# Altium PCB TinyHawk_PCB.PcbDoc (part 4 of 6)
Units mil, origin at the board's own origin, x right, y up, seen from the top; angles counter-clockwise.
Board outline 3399.79 x 3628.14 mil, 6 copper layers (Top Layer, Ground, Signal Layer 2, Signal Layer 1, Power, Bottom Layer), stack 58.153 mil thick; 370 components, 355 nets, 1615 pads, 674 vias.
Unrouted connection lines stored in the file: 1.
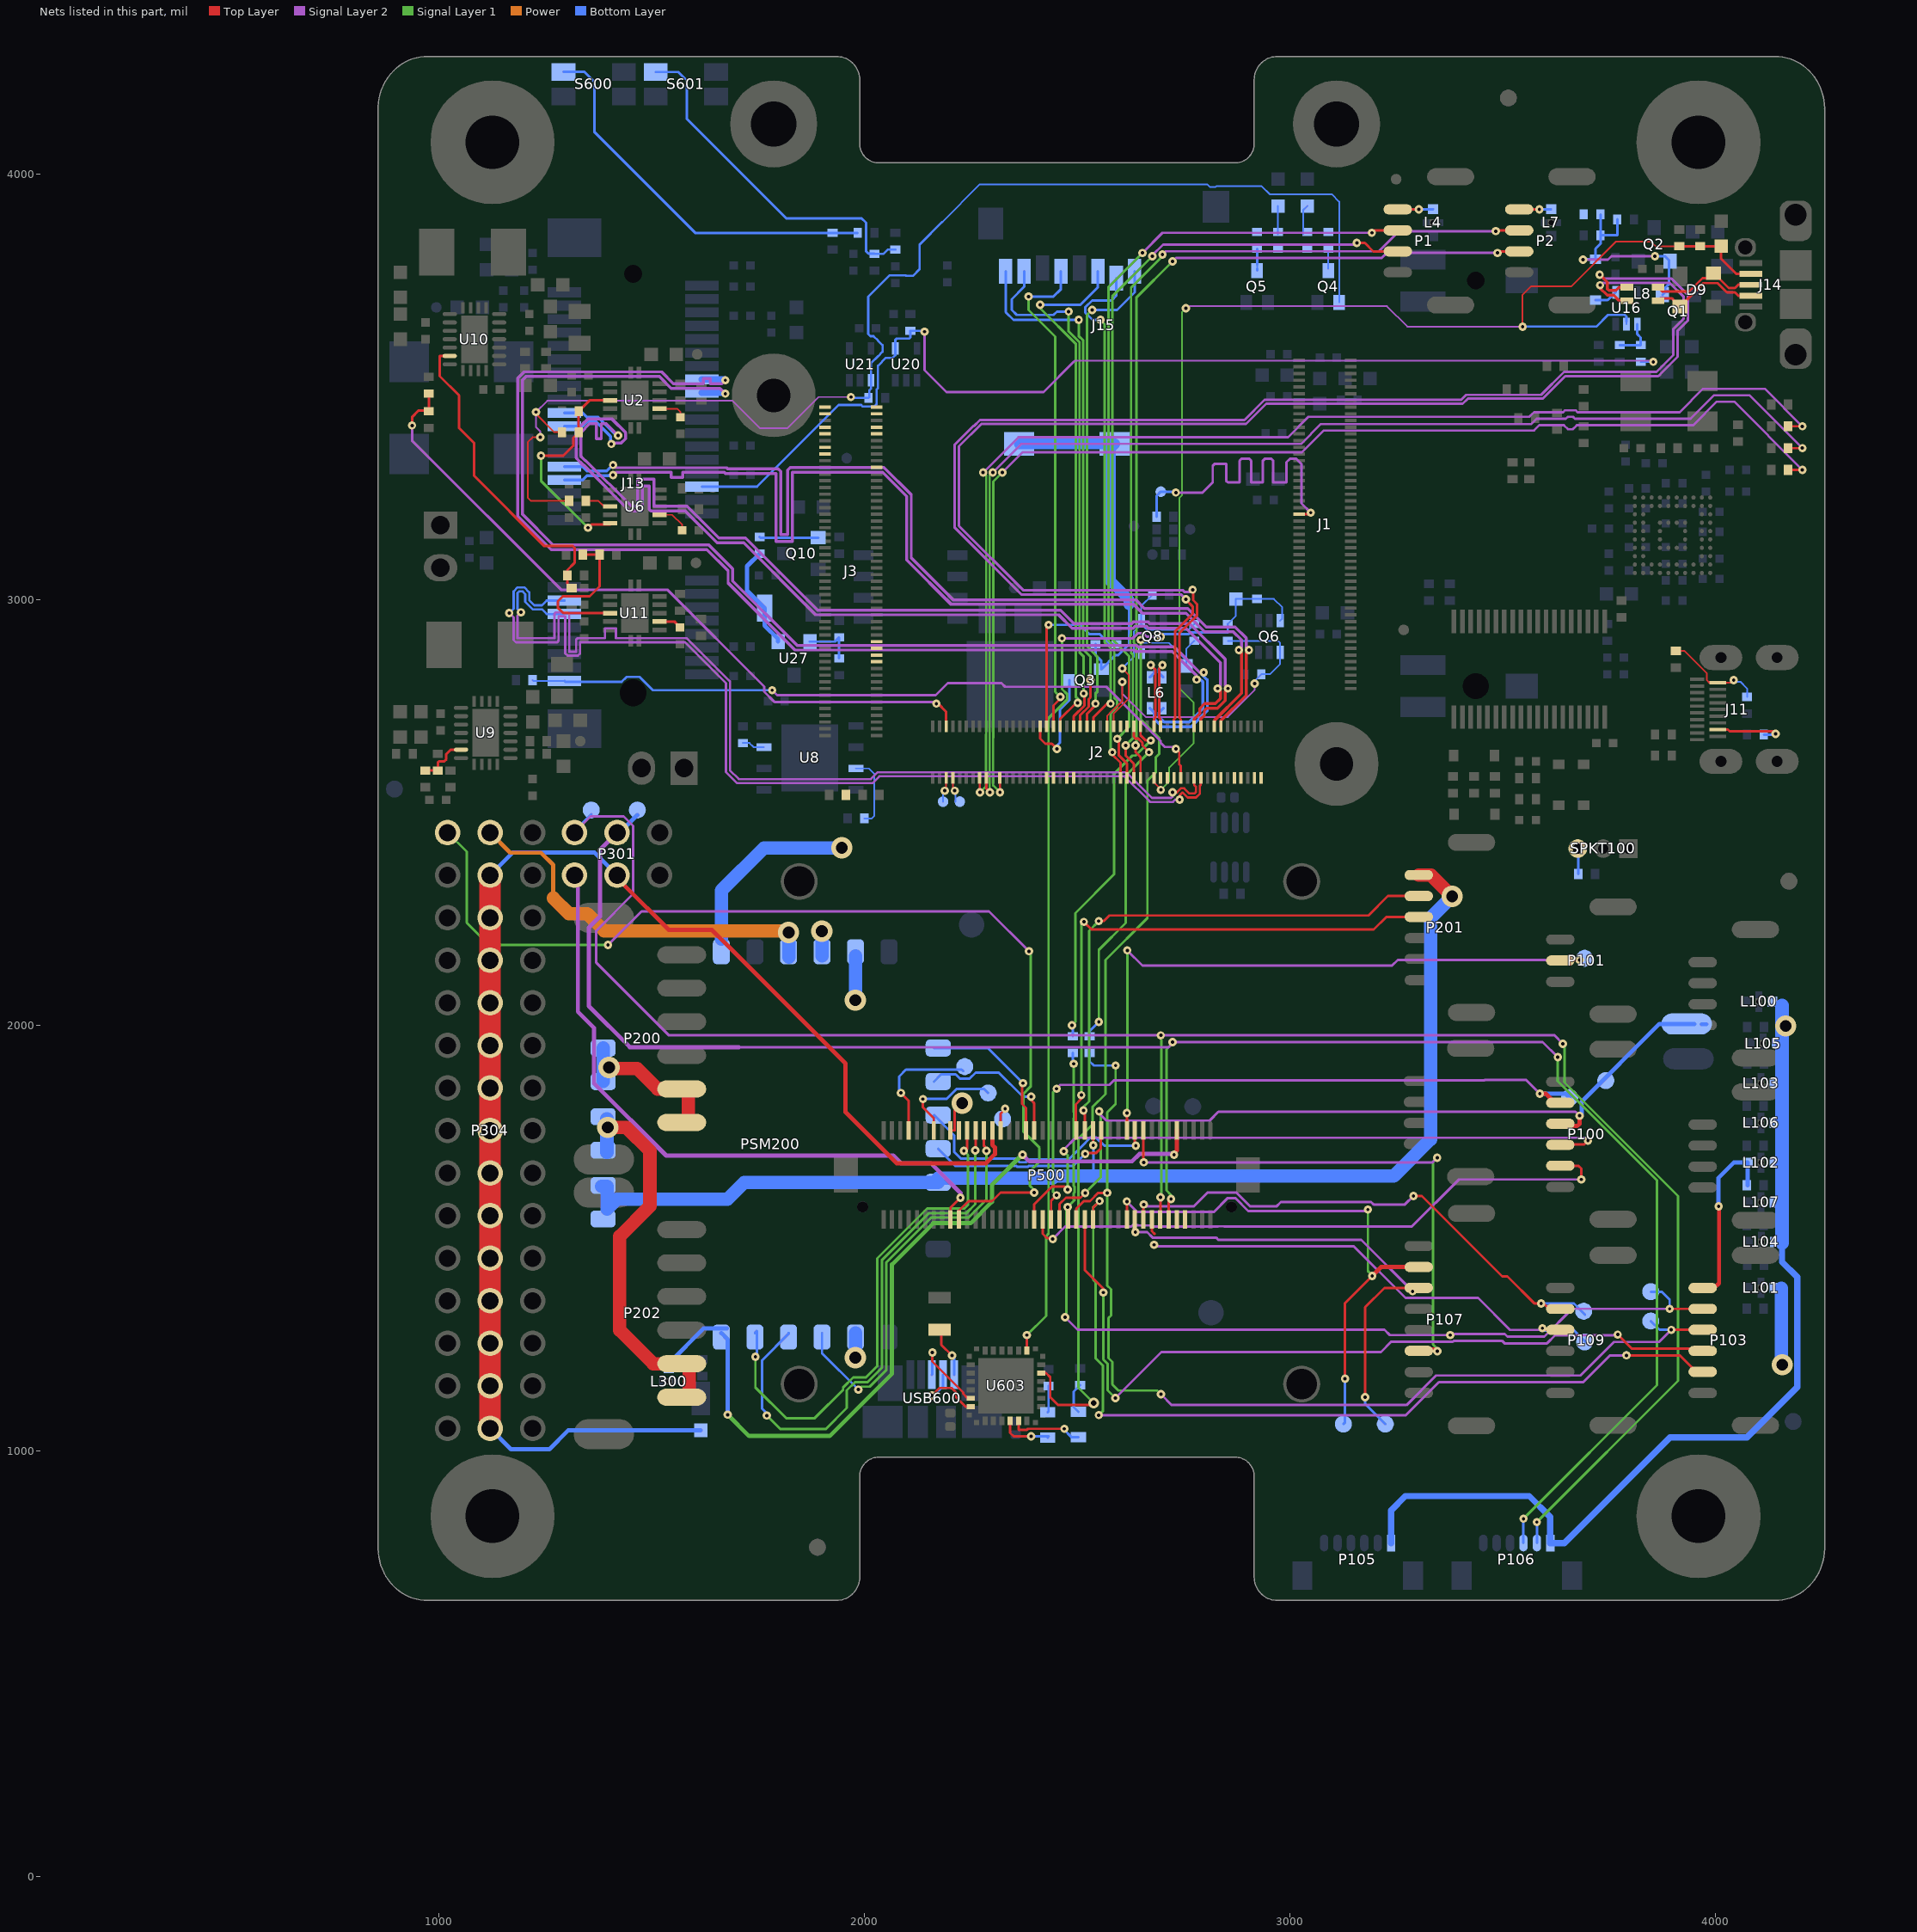
[diagram p8: the nets of this part, all layers, seen from the top]

## Via types
v1: diameter 19.68, hole 7.87, Top Layer to Bottom Layer, tented both sides, 619 vias
v2: diameter 17.72, hole 7.87, Top Layer to Bottom Layer, tented both sides, 36 vias
v3: diameter 50, hole 28, Top Layer to Bottom Layer, tented both sides, 13 vias
v4: diameter 19.68, hole 7.87, Top Layer to Bottom Layer, 3 vias
v5: diameter 25, hole 13, Top Layer to Bottom Layer, tented both sides, 3 vias

## Nets (pads, with @x,y where several pads share a name; then routed paths per layer and width w, separated by ;. In a path a pad name is that pad's centre, name@x,y a point inside that pad or via, vN(x,y) a via of type N, cw(c..) or ccw(c..) an arc to the next point about the centre after c; other vN are vias at no path point) (continued)
NetJ2_16: J2.16 R166.2 | length 2875.7
  Top Layer w5.4: J2.16@2271.26,2581.1 2271.65,2580.71 v1(2271.65,2547.24) ; R166.2@4171.26,3407.48 v1(4204.72,3407.48)
  Signal Layer 2 w5.4: v1(2279.21,3299.21) 2279.91,3299.21 2362.59,3381.89 2996.06,3381.89 3044.09,3429.91 3563.18,3429.91 3573.9,3440.63 3642.64,3440.63 3647.12,3445.11 3671.78,3445.11 3676.26,3440.63 3916.1,3440.63 3971.22,3495.75 4116.46,3495.75 v1(4204.72,3407.48)
  Signal Layer 1 w5.4: v1(2271.65,2547.24) 2286.16,2561.75 2286.16,2683.08 2286.35,2683.27 2286.35,3292.07 v1(2279.21,3299.21)
NetJ2_18: J2.18 R168.2 | length 2859.2
  Top Layer w5.4: J2.18@2287.01,2581.1 2287.01,2555.51 v1(2295.28,2547.24) ; R168.2@4171.26,3356.3 v1(4204.72,3356.3)
  Signal Layer 2 w5.4: v1(2301.89,3299.21) 2368.82,3366.14 3026.6,3366.14 3073.3,3412.84 3567.6,3412.84 3580.19,3425.43 3648.93,3425.43 3653.42,3429.91 3665.48,3429.91 3669.96,3425.43 3942.08,3425.43 3997.2,3480.55 4080.48,3480.55 v1(4204.72,3356.3)
  Signal Layer 1 w5.4: v1(2295.28,2547.24) 2294.56,2547.96 2294.56,2679.6 2294.75,2679.79 2294.75,3292.07 v1(2301.89,3299.21)
NetJ2_22: J2.22 R169.2 | length 2859.2
  Top Layer w5.4: J2.22@2318.5,2581.1 2318.9,2580.71 v1(2318.9,2547.24) ; R169.2@4171.26,3305.12 v1(4204.72,3305.12)
  Signal Layer 2 w5.4: v1(2324.58,3299.21) 2371.82,3346.46 3028.41,3346.46 3079.6,3397.64 3573.9,3397.64 3586.49,3410.23 3644.89,3410.23 3644.89,3409.32 3653.42,3400.8 3665.48,3400.8 3674.01,3409.32 3674.01,3410.23 3948.38,3410.23 4003.49,3465.35 4044.5,3465.35 v1(4204.72,3305.12)
  Signal Layer 1 w5.4: v1(2318.9,2547.24) 2302.96,2563.18 2302.96,2676.12 2303.15,2676.31 2303.15,3277.79 v1(2324.58,3299.21)
NetJ2_36: J2.36
NetJ2_38: J2.38
NetJ2_42: J2.42
NetJ2_44: J2.44
NetJ2_57: J2.57
NetJ2_59: J2.59
NetJ2_70: J2.70
NetJ2_72: J2.72
NetJ2_74: J2.74
NetJ2_86: J2.86
NetJ2_88: J2.88
NetJ2_92: J2.92
NetJ2_94: J2.94
NetJ2_98: J2.98
NetJ2_100: J2.100
NetJ3_1: J3.1
NetJ3_2: J3.2
NetJ3_3: J3.3
NetJ3_4: J3.4
NetJ3_7: J3.7
NetJ3_8: J3.8
NetJ3_9: J3.9
NetJ3_10: J3.10
NetJ3_14: J3.14
NetJ3_16: J3.16
NetJ3_19: J3.19
NetJ3_71: J3.71
NetJ3_73: J3.73
NetJ3_75: J3.75
NetJ3_77: J3.77
NetJ11_2: J11.2 R39.1 R40.1 | length 237.9
  Top Layer w4: R39.1@3907.48,2879.92 3927.17,2879.92 3980.32,2826.77 3980.32,2811.02 3986.22,2805.12 J11.2@4005.91,2805.12 4037.31,2805.12 v1(4043.31,2811.12)
  Bottom Layer w4: v1(4043.31,2811.12) 4047.34,2807.09 4059.06,2807.09 4074.8,2791.34 R40.1@4074.8,2771.65
NetJ11_16: J11.16 R162.1 | length 168.3
  Top Layer w6: J11.16@4005.91,2694.88 4029.53,2694.88 4033.59,2690.82 4135.95,2690.82 v1(4141.73,2685.04)
  Bottom Layer w6: R162.1@4114.17,2683.07 4139.76,2683.07 v1(4141.73,2685.04)
NetJ13_22: J13.22 R64.2 R155.2 U20.4 | length 2652.2
  Signal Layer 2 w4: v1@2137.8,3629.92 v1@2141.73,3625.98 ; 2492.13,3559.06 2495.16,3562.09 3851.3,3562.09 v1(3854.33,3559.06)
  Signal Layer 2 w5.9: v1(2141.73,3629.92) 2141.73,3625.98 2141.73,3539.37 2192.91,3488.19 2421.26,3488.19 2492.13,3559.06
  Bottom Layer w4: R155.2@3824.8,3559.06 v1(3854.33,3559.06)
  Bottom Layer w5.4: J13.22@1618.11,3265.75 1748.03,3265.75 1939.88,3457.6 1992.83,3457.6 1996.44,3453.99 2023.25,3453.99 2028.62,3459.37 2028.62,3493.81 2032.23,3497.42 2032.23,3549.94 2050.81,3568.52 2066.93,3568.52 2072.83,3574.43 U20.4@2072.83,3590.55 2072.83,3611.32 2074.8,3613.28 2076.6,3613.28 2076.76,3613.44 2105.57,3613.44 2108.27,3616.14 R64.2@2108.27,3631.89 2139.76,3631.89 v1(2141.73,3629.92)
NetL4_P$2: L4.P$2 P1.1 | length 82.9
  Top Layer w5.91: P1.1@3253.94,3917.32 v1(3303.15,3917.32)
  Bottom Layer w5.91: v1(3303.15,3917.32) 3336.11,3917.32 L4.P$2@3336.61,3917.83
NetL7_P$2: L7.P$2 P2.1 | length 75
  Top Layer w5.4: P2.1@3539.37,3917.32 v1(3586.61,3917.32)
  Bottom Layer w5.4: v1(3586.61,3917.32) 3613.67,3917.32 L7.P$2@3614.17,3917.83
NetL601_P$1: L601.P$1 USB600.VBUS | length 111.4
  Top Layer w5.91: L601.P$1@2181,1278 2181,1249 v1(2206,1224)
  Bottom Layer w5.91: v1(2206,1224) 2211,1219 USB600.VBUS@2211,1179
NetLED600_A: LED600.A R607.P$1 | length 73
  Bottom Layer w5.91: LED600.A@2503,1092 2492.13,1102.87 2492.13,1139.44 R607.P$1@2507,1154.32
NetLED600_C: LED600.C U603.22 | length 171.2
  Top Layer w5.91: U603.22@2362.53,1070.32 2362.53,1049.47 2382.31,1049.47 2384.63,1051.8 v1(2470.2,1051.8)
  Bottom Layer w5.91: v1@2468.7,1050.3 2486.53,1032.47 LED600.C@2503,1032.47
NetLED601_A: LED601.A R608.P$1 | length 62.1
  Bottom Layer w5.91: LED601.A@2431,1091 2433,1093 R608.P$1@2433,1152.32
NetLED601_C: LED601.C U603.21 | length 125.8
  Top Layer w5.91: U603.21@2342.84,1070.32 2342.84,1042.16 2351,1034 v1(2392,1034)
  Bottom Layer w5.91: v1(2392,1034) 2433.53,1034 LED601.C@2431,1031.47
NetQ4_1: Q4.1 R5.2 R117.1 R153.2 U21.1 | length 3042.5
  Top Layer w4: v1(1228.35,3440.94) 1228.35,3437.01 1271.65,3393.7 R5.2@1289.37,3393.7 ; v1(1238.39,3381.89) 1220.47,3381.89 1208.66,3370.08 1208.66,3240.16 1216.57,3232.25 1238.85,3232.25 ; 1238.89,3232.28 R153.2@1306.1,3232.28 R153.2@1303.23,3235.15
  Signal Layer 2 w4: v1(1238.39,3381.89) 1238.39,3395.47 1228.35,3405.51 v1(1228.35,3440.94) 1255,3467.6 1690.12,3467.6 1754.91,3402.82 1819.11,3402.82 1892.67,3476.38 v1(1968.5,3476.38)
  Bottom Layer w4: 2183.07,3887.8 2271.65,3976.38 2805.78,3976.38 2812.75,3969.41 2825.05,3969.41 2827.17,3971.54 2933.98,3971.54 2952.76,3952.76 3098.43,3952.76 3116.14,3935.04 Q4.1@3116.14,3698.82
  Bottom Layer w5.4: v1(1968.5,3476.38) 1970.47,3474.41 R117.1@2009.84,3474.41 2011.81,3476.38 2011.81,3492.13 2015.75,3496.06 U21.1@2015.75,3515.75 2015.75,3555.74 2031.98,3571.98 2042.82,3582.78 2042.82,3598.07 2032.23,3608.66 2032.23,3608.88 2021.76,3619.35 2014.15,3619.35 2009.11,3624.39 2009.11,3712.23 2059.43,3762.54 2097.19,3762.54 2098.66,3761.08 2113.94,3761.08 2129.92,3777.06 2129.92,3834.65 2183.07,3887.8
NetQ4_3: Q4.3 R144.2 R145.2 | length 100.4
  Bottom Layer w4: R145.2@3031.5,3818.9 3090.55,3818.9 Q4.3@3090.55,3777.56
NetQ5_3: Q5.3 R146.2 R148.2 | length 110.2
  Bottom Layer w4: R148.2@2913.39,3818.9 2923.23,3818.9 R146.2@2972.44,3818.9 ; Q5.3@2923.23,3777.56 Q5.3@2923.23,3787.4
  Bottom Layer w5.91: Q5.3@2923.23,3773.62 Q5.3@2923.23,3777.56 ; Q5.3@2923.23,3787.4 2923.23,3818.9 R148.2@2923.23,3824.8
NetQ10_1: Q10.1 R293.2 | length 138.6
  Bottom Layer w6: R293.2@1753.94,3147.64 1755.91,3145.67 Q10.1@1891.73,3145.67
NetR5_1: R5.1 R81.1 U2.3 U6.5 | length 526.7
  Top Layer w6: v1(1240.15,3338.58) 1292.55,3338.58 1316.18,3362.2 1316.18,3381.14 R5.1@1328.74,3393.7 1328.74,3433.89 R81.1@1333.25,3438.4 ; R81.1@1328.74,3442.91 1354.33,3468.5 U2.3@1402.56,3468.5 ; v1(1350.39,3169.29) 1358.17,3177.07 1402.64,3177.07 U6.5@1402.64,3179.88
  Signal Layer 1 w6: v1(1240.15,3338.58) 1240.15,3279.53 v1(1350.39,3169.29)
NetR35_2: R35.2 R42.2
NetR63_1: R63.1
NetR100_1: R100.1 R293.1 U27.1 | length 249.1
  Bottom Layer w10: R293.1@1753.94,3108.27 1724.41,3078.74 1724.41,3021.65 R100.1@1765.75,2980.32 1765.75,2938.98 1797.24,2907.48 U27.1@1797.24,2901.57
NetR140_1: R140.1 R141.2 S600.B3 | length 916.8
  Bottom Layer w6: S600.B3@1293.17,4240.16 1342.52,4240.16 1366.14,4216.54 1366.14,4098.43 1602.36,3862.2 R141.2@1925.2,3862.2 R140.1@1984.25,3862.2
NetR144_1: R144.1
NetR147_1: R147.1 R149.2 S601.B3 | length 836.4
  Bottom Layer w5.4: R149.2@2023.62,3812.99 2045.28,3812.99 2055.12,3822.83 R147.1@2072.83,3822.83
  Bottom Layer w5.91: S601.B3@1509.71,4240.16 1562.99,4240.16 1582.68,4220.47 1582.68,4129.92 1816.14,3896.45 1993.31,3896.45 2003.94,3885.83 2003.94,3818.9 2009.84,3812.99 R149.2@2023.62,3812.99
NetR148_1: R148.1
NetR204_2: R204.2 U8.7 | length 53.3
  Bottom Layer w4: R204.2@1714.57,2663.39 1730.32,2663.39 1740.16,2653.54 U8.7@1763.78,2653.54
NetR206_1: R206.1 U8.3 | length 173.2
  Bottom Layer w4: U8.3@1980.32,2603.54 2010.63,2603.54 2023.62,2590.55 2023.62,2492.13 2017.72,2486.22 R206.1@2000,2486.22
NetR292_1: R292.1 R296.2 U27.2 | length 122.2
  Bottom Layer w6: U27.2@1872.05,2901.57 1931.1,2901.57 R292.1@1940.94,2911.42 R296.2@1940.94,2862.2
NetU603_14: U603.14 USB600.D+ | length 201.6
  Top Layer w5.91: v1(2160,1231) 2160,1210 2232.53,1137.47 2232.53,1133.96 2243.01,1123.47 U603.14@2250.32,1123.47
  Bottom Layer w5.91: USB600.D+@2159,1179 2160,1180 v1(2160,1231)
NetU603_15: U603.15 USB600.D- | length 186.1
  Top Layer w5.91: v1(2159,1130) 2176.8,1147.8 2205.37,1147.8 2215.8,1137.37 2215.8,1126 2238.01,1103.79 U603.15@2250.32,1103.79
  Bottom Layer w5.91: v1(2159,1130) 2163.75,1130 2185,1151.25 USB600.D-@2185,1179
ON_OFF: J2.8 TP11.1 | length 58.1
  Top Layer w4: J2.8@2208.27,2581.1 2208.27,2555.51 v1(2212.6,2551.18)
  Bottom Layer w4: v1(2212.6,2551.18) 2214.57,2549.21 TP11.1@2214.57,2525.59
OTG_DM1: P201.3 P500.33 | length 1310
  Top Layer w5.91: P500.33@2498,1753 2497.2,1753.8 2497.2,1814.2 2510,1827 v1(2510,1836) ; v1(2516,2243) 2534,2225 3197.44,2225 3227.05,2254.61 P201.3@3303.15,2254.61
  Signal Layer 1 w5.91: v1(2510,1836) 2510,2241.91 2508.91,2243 v1(2516,2243)
OTG_DP1: P201.2 P500.31 | length 1289.2
  Top Layer w5.91: v1(2515,1800) 2513,1800 2511,1798 2518,1791 P500.31@2518,1753 ; v1(2551,2245) 2563,2245 2576,2258 3185.04,2258 3230.86,2303.82 P201.2@3303.15,2303.82
  Signal Layer 1 w5.91: v1(2515,1800) 2515,1808.07 2528.2,1821.28 2528.2,2222.2 v1(2551,2245)
PCIE_CLK_N: J2.80 J13.11 | length 2424.9
  Top Layer w5.4: v1(2724.41,2547.24) 2734.51,2547.24 2744.02,2556.76 2751.81,2556.76 2763.74,2544.83 2775.59,2544.83 2779.53,2548.77 2779.53,2560.29 2775.2,2564.62 J2.80@2775.2,2581.1
  Signal Layer 2 w5.4: v1(1192.91,2970.44) 1185.04,2962.56 1185.04,2909.45 1271.78,2909.45 1271.78,2965.66 cw(c1276.48,2965.66) 1276.48,2970.36 1301.88,2970.36 cw(c1301.88,2965.66) 1306.58,2965.66 1306.58,2877.95 1322.58,2877.95 1322.58,2904.75 cw(c1327.28,2904.75) 1327.28,2909.45 1390.78,2909.45 1390.78,2933.07 1416.18,2933.07 1416.18,2909.45 1582.68,2909.45 1684.15,2807.97 1684.15,2599.06 1704.72,2578.49 2015.45,2578.49 2031.45,2594.49 2615.66,2594.49 2675.82,2534.32 2721.59,2534.32 2724.41,2537.14 v1(2724.41,2547.24)
  Bottom Layer w5.4: v1(1192.91,2970.44) 1185.04,2978.31 1185.04,3015.75 1188.98,3019.68 1196.85,3019.68 1203.2,3013.34 1203.2,2994.9 1220.52,2977.58 1242.15,2977.58 1253.2,2966.53 J13.11@1295.27,2966.53
PCIE_CLK_P: J2.82 J13.13 | length 2422.8
  Top Layer w5.4: v1(2741.16,2530.5) 2741.16,2540.37 2748.03,2547.24 2759.84,2535.43 2779.48,2535.43 2788.93,2544.88 2788.93,2562.61 2790.94,2564.62 J2.82@2790.94,2581.1
  Signal Layer 2 w5.4: v1(1165.35,2968.5) 1175.64,2958.22 1175.64,2905.56 1181.15,2900.05 1276.48,2900.05 ccw(c1276.48,2904.75) 1281.18,2904.75 1281.18,2960.96 1297.18,2960.96 1297.18,2874.06 1302.69,2868.55 1326.52,2868.55 1331.98,2874.02 1331.98,2900.05 1578.78,2900.05 1674.75,2804.08 1674.75,2595.16 1700.83,2569.09 2019.34,2569.09 2035.35,2585.09 2611.76,2585.09 2670.82,2526.03 2671.93,2524.92 2725.48,2524.92 2731.06,2530.5 v1(2741.16,2530.5)
  Bottom Layer w5.4: v1(1165.35,2968.5) 1175.64,2978.79 1175.64,3019.64 1185.08,3029.09 1200.74,3029.09 1212.6,3017.23 1212.6,2998.79 1224.41,2986.98 1242.15,2986.98 1253.2,2998.03 J13.13@1295.27,2998.03
PCIE_RX_N: J2.85 J13.23 | length 2430.3
  Top Layer w7: J2.85@2822.44,2702.36 2822.44,2716.14 2886.64,2780.34 2886.64,2875.55 v1(2880.3,2881.89)
  Signal Layer 2 w7: v1(1409.45,3292.87) 1415.79,3299.21 1546.11,3299.21 1546.11,3287.4 1573.11,3287.4 1573.11,3299.21 1671.52,3299.21 1673.71,3297.02 1792.58,3297.02 1792.58,3137.18 1830.58,3137.18 1830.58,3299.21 2042.69,3299.21 2099.24,3242.66 2099.24,3093.87 2204.11,2989 2633.24,2989 2653.74,2968.5 2756.1,2968.5 2799.4,2925.2 2866.95,2925.2 2886.64,2905.51 2886.64,2888.23 v1(2880.3,2881.89)
  Bottom Layer w7: J13.23@1295.27,3281.49 1338.14,3281.49 1348.39,3291.74 1399.35,3291.74 1400.48,3292.87 v1(1409.45,3292.87)
PCIE_RX_P: J2.87 J13.25 | length 2420.2
  Top Layer w7: J2.87@2838.19,2702.36 2838.19,2716.14 2897.64,2775.59 2897.64,2875.55 v1(2903.98,2881.89)
  Signal Layer 2 w7: v1(1409.45,3316.56) 1415.79,3310.21 1676.08,3310.21 1678.27,3308.02 1797.14,3308.02 1803.58,3301.58 1803.58,3153.54 1819.58,3153.54 1819.58,3304.71 1825.89,3311.02 2046.43,3311.02 2110.24,3247.22 2110.24,3098.43 2208.66,3000 2637.8,3000 2658.29,2979.5 2760.65,2979.5 2803.96,2936.2 2871.51,2936.2 2897.64,2910.07 2897.64,2888.23 v1(2903.98,2881.89)
  Signal Layer 1 w7: v1@2897.64,2888.23 v1(2903.98,2881.89)
  Bottom Layer w7: J13.25@1295.27,3312.99 1338.14,3312.99 1348.39,3302.74 1394.79,3302.74 1408.61,3316.56 v1(1409.45,3316.56)
PCIE_TX_N: J2.79 J13.31 | length 2428.6
  Top Layer w7: J2.79@2775.2,2702.36 2775.2,2719.64 2788.21,2732.66 2788.21,2744.09 2800.02,2755.91 2825.24,2755.91 2837.05,2767.72 2837.05,2785 v1(2830.71,2791.34)
  Signal Layer 2 w7: v1(1405.51,3366.14) 1407.85,3368.48 1428.44,3368.48 1438.6,3378.64 1438.6,3393 1407.22,3424.39 1349.77,3424.39 1342.71,3417.32 1342.52,3417.32 1334.65,3409.45 1334.84,3409.45 1322.83,3397.45 1322.83,3334.03 1324.05,3332.81 1324.05,3331.61 1339.48,3316.18 1340.68,3316.18 1448.2,3208.66 1472.98,3208.66 ccw(c1472.98,3214.16) 1478.48,3214.16 1478.48,3267.72 1494.48,3267.72 1494.48,3214.16 ccw(c1499.98,3214.16) 1499.98,3208.66 1578.93,3208.66 1653.73,3133.86 1716.54,3133.86 1885.73,2964.66 2456.79,2964.66 2488.38,2933.07 2631.84,2933.07 2636.33,2937.56 2662.88,2937.56 2667.37,2933.07 2755.91,2933.07 2837.05,2851.93 2837.05,2797.68 v1(2830.71,2791.34)
  Bottom Layer w7: J13.31@1295.27,3407.48 1338.14,3407.48 1348.39,3417.73 1370.08,3417.73 1403.91,3383.89 1403.91,3367.74 v1(1405.51,3366.14)
PCIE_TX_P: J2.81 J13.33 | length 2427.3
  Top Layer w7: J2.81@2790.94,2702.36 2790.94,2719.64 2799.21,2727.91 2799.21,2739.54 2804.58,2744.91 2829.8,2744.91 2848.05,2763.16 2848.05,2785 v1(2854.39,2791.34)
  Signal Layer 2 w7: v1@1422.06,3385.02 v1(1421.26,3385.82) 1393.69,3413.39 1381.89,3413.39 1381.89,3377.95 1370.08,3377.95 1370.08,3413.39 1354.33,3413.39 1333.83,3392.89 1333.83,3338.58 1335.05,3337.37 1335.05,3336.16 1344.04,3327.18 1345.24,3327.18 1452.76,3219.66 1467.48,3219.66 1467.48,3283.65 1505.48,3283.65 1505.48,3219.66 1583.49,3219.66 1658.29,3144.86 1721.09,3144.86 1890.29,2975.66 2461.35,2975.66 2464.57,2972.44 2492.94,2944.07 2628.7,2944.07 2632.19,2947.56 2667.02,2947.56 2670.51,2944.07 2764.59,2944.07 2848.05,2860.61 2848.05,2797.68 v1(2854.39,2791.34)
  Bottom Layer w7: J13.33@1295.27,3438.97 1338.14,3438.97 1348.39,3428.73 1374.64,3428.73 1417.54,3385.82 v1(1421.26,3385.82)
PCIE_WAKE: J2.76 J13.1 R37.1 | length 1687.5
  Top Layer w5.4: v1(2732.28,2649.6) 2740.16,2641.72 2740.16,2613.18 2743.7,2609.64 J2.76@2743.7,2581.1
  Signal Layer 2 w5.4: v1(1783.46,2787.4) 1795.07,2775.8 2167.86,2775.8 2196.03,2803.98 2322.5,2803.98 2331,2795.48 2569.02,2795.48 2696.66,2667.84 2696.66,2663.25 2705.77,2654.14 2727.74,2654.14 v1(2732.28,2649.6)
  Bottom Layer w4: R37.1@1220.47,2811.02 1222.44,2809.05 J13.1@1295.27,2809.05
  Bottom Layer w5.4: J13.1@1295.27,2809.05 1297.24,2807.09 1429.68,2807.09 1441.28,2818.69 1472.1,2818.69 1503.38,2787.4 v1(1783.46,2787.4)
PERIPH_5V: D103.C L102.P$2 P103.1 | length 427.5
  Top Layer w10: P103.1@3970.47,1382.87 3998.15,1382.87 4008.97,1393.7 4008.97,1573.7 v1(4007.87,1574.8)
  Bottom Layer w10: v1(4007.87,1574.8) 4007.87,1641.73 4043.4,1677.25 L102.P$2@4075.78,1677.25 D103.C@4075.78,1623.86
PG_+1V5: R153.1 U6.3 | length 62.6
  Top Layer w4: R153.1@1345.47,3232.28 1375,3232.28 1388.03,3219.25 U6.3@1402.64,3219.25
PMIC_ON_REQ: J2.6 TP14.1 | length 66.5
  Top Layer w4: v1@2188.98,2559.06 v1(2188.98,2551.18) 2192.52,2554.72 J2.6@2192.52,2581.1
  Bottom Layer w4: TP14.1@2185.04,2525.59 2185.04,2547.24 v1(2188.98,2551.18)
POK_1V5_MODULE: J2.5 R31.1 R220.1 | length 1701.3
  Top Layer w6: v1(937.01,3409.45) 937.01,3429.13 952.76,3444.88 R31.1@974.41,3444.88 ; R31.1@976.38,3442.91 R220.1@976.38,3484.25 ; v1(2169.29,2755.91) 2173.23,2755.91 2192.52,2736.61 J2.5@2192.52,2702.36
  Signal Layer 2 w6: v1(937.01,3409.45) 937.01,3374.02 1287.4,3023.62 1536.96,3023.62 1764.69,2795.89 1764.69,2783.78 1788.52,2759.94 2165.26,2759.94 v1(2169.29,2755.91)
POK_2V5: R30.1 R224.1 U11.3 | length 370.4
  Top Layer w5.91: R30.1@1338.58,3106.3 R224.1@1377.95,3106.3 1377.95,3031.5 1354.33,3007.87 1291.34,3007.87 1279.53,2996.06 1279.53,2981.3 1292.32,2968.5 U11.3@1402.56,2968.5
PPM-SBUS-PROT: P304.15 P500.62 | length 2466.7
  Top Layer w5.91: P500.62@2222.31,1543.67 2222.31,1564.31 2245,1587 2300.23,1587 2320.23,1607 v1(2399,1607)
  Signal Layer 2 w5.91: v1(1397.64,2188.98) 1476.46,2267.8 2293.2,2267.8 v1(2387,2174) v1@2387,2176
  Signal Layer 1 w5.91: P304.15@1020.47,2452.76 1065.43,2407.8 1065.43,2241.06 1117.51,2188.98 v1(1397.64,2188.98) ; v1(2387,2174) 2390.8,2170.2 2390.8,1855.96 2374.2,1839.37 2374.2,1749.81 2411.61,1712.41 2411.61,1679.59 2388.7,1656.69 2388.7,1623.59 2399,1613.29 v1(2399,1607)
PRESSURE_SENS_IN: ADC_PR.P$1 P101.2 P500.21 | length 1529.3
  Top Layer w5.91: P500.21@2617,1753 v1(2617,1794) ; P101.2@3653.54,2153.54 v1@3675.98,2153.54
  Signal Layer 2 w5.91: v1(2618,2176) 2653.8,2140.2 3240.22,2140.2 3253.56,2153.54 v1(3681.1,2153.54)
  Signal Layer 1 w5.91: v1(2617,1794) 2618,1795 v1(2618,2176)
PROT_SPARE_1: P500.8
PROT_SPARE_2: P500.10
PS/SYNC_3V3: R28.1 R29.2 U10.13 | length 750.4
  Top Layer w5.91: U10.13@1025.59,3572.83 1001.97,3572.83 1001.97,3525.59 1047.24,3480.32 1047.24,3403.68 1082.68,3368.25 1082.68,3291.34 1248.03,3125.98 1314.96,3125.98 1318.9,3122.05 1318.9,3086.61 1302.17,3069.88 R29.2@1302.17,3057.09 1302.17,3037.4 R28.1@1312.01,3027.56
PS/SYNC_5V: R24.1 R25.2 U9.13 | length 122.8
  Top Layer w6: R25.2@968.19,2598.75 R24.1@997.72,2598.75 997.72,2617.79 1000.2,2620.28 1012.84,2620.28 1017.53,2624.96 1017.53,2637.6 1027.57,2647.64 U9.13@1052.17,2647.64
PWR_LED_GRN: D14.1 R145.1 | length 71
  Bottom Layer w4: R145.1@3031.5,3858.27 3031.5,3915.35 D14.1@3041.34,3925.2
RX_5V0_OUT: "P304.RX 5V" PSM200.RX | length 901.8
  Power w10: 1120.47,2452.76 1167.72,2405.51 1240.16,2405.51 1269,2376.67 1269,2299
  Power w31.5: 1269,2299 1306.08,2261.92 1349.08,2261.92 1389,2222 1818,2222 v3(1822,2218)
  Bottom Layer w31.5: PSM200.RX@1822.83,2160.43 v3@1822.83,2218
S.BUS_OUT: P301.1 P500.64 | length 1548.1
  Top Layer w5.91: P500.64@2202.62,1543.67 2202.62,1571.62 v1(2226,1595)
  Signal Layer 2 w10: P301.1@1318.9,2352.76 1326.8,2344.85 1326.8,2031.78 1365,1993.58 1365,1863.35 1534.5,1693.84 2068.28,1693.84 2086.13,1676 2156,1676 2226,1606 v1(2226,1595)
SAFETY: P107.6 P500.17 | length 1281.5
  Top Layer w5.91: P500.17@2656,1753 2656,1679 v1(2657,1678) ; P107.6@3304.16,1241 3305.16,1240 3346.68,1240 v1(3346.68,1234)
  Signal Layer 2 w5.91: v1(2657,1678) 3335.48,1678 v1(3346.45,1688.97)
  Signal Layer 1 w5.91: v1(3346.45,1688.97) 3336.72,1679.24 3336.72,1249.95 3346.68,1240 v1(3346.68,1234)
SD3_CD: J2.33 Q3.3 | length 263.3
  Top Layer w6: J2.33@2412.99,2702.36 2413.09,2702.36 2413.09,2673.53 2425.2,2661.42 2440.93,2661.42 v1(2452.75,2649.6)
  Bottom Layer w6: v1@2452.75,2649.61 2444.88,2649.61 2460.14,2664.87 2460.14,2742.39 2482.28,2764.53 Q3.3@2482.28,2811.02
SD3_CDN: J15.9 J15.10 Q3.1 R201.1 | length 871.4
  Bottom Layer w5.91: R201.1@2543.31,2895.67 2543.31,2870.08 2557.09,2856.3 Q3.1@2557.09,2836.61 2590.55,2870.08 2597,2870.08 2622.05,2895.12 2622.05,2988.19
  Bottom Layer w25: J15.10@2364.17,3366.14 J15.9@2588.58,3366.14 2578.74,3356.3 2578.74,3043.31 2622.05,3000 2622.05,2988.19
SD3_CLK: J2.37 J15.5 | length 1173.3
  Top Layer w5.91: J2.37@2444.49,2702.36 2444.49,2751.57 2460.62,2767.71 v1(2460.62,2771.65)
  Signal Layer 1 w5.91: v1(2385.83,3712.6) 2385.83,3681.1 2448.87,3618.06 2448.87,2916.09 2448.77,2915.99 2448.77,2783.5 v1(2460.62,2771.65)
  Bottom Layer w5.91: v1(2385.83,3712.6) 2444.88,3712.6 2462.2,3729.92 J15.5@2462.2,3771.65
SD3_CMD: J2.39 J15.3 | length 1243.4
  Top Layer w5.91: J2.39@2460.24,2702.36 2460.24,2720.08 2497.93,2757.77 v1(2501.58,2757.77)
  Signal Layer 1 w5.91: v1(2413.43,3692.96) 2413.43,3684.99 2496.85,3601.57 2496.85,2772.24 2507.87,2761.22 2504.42,2757.77 v1(2501.58,2757.77)
  Bottom Layer w5.91: v1(2413.43,3692.96) 2507.92,3692.96 2548.82,3733.86 J15.3@2548.82,3771.65
SD3_DATA0: J2.43 J15.7 | length 1245.4